# KiCad board lumberjack.kicad_pcb
date: 2024-06-26; rev: 1.9
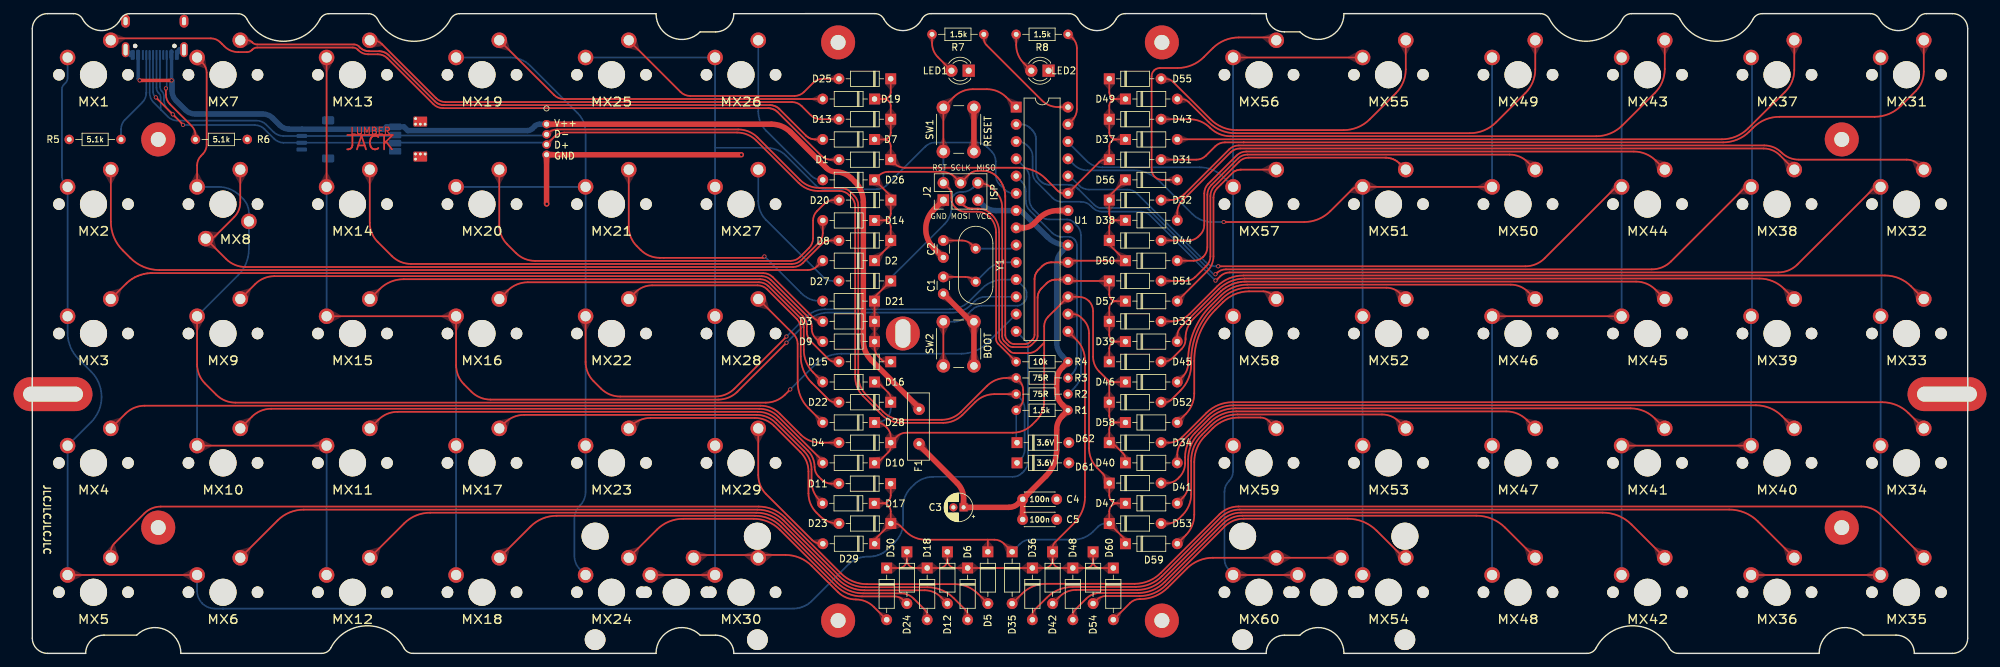
[diagram p0: board, top side]
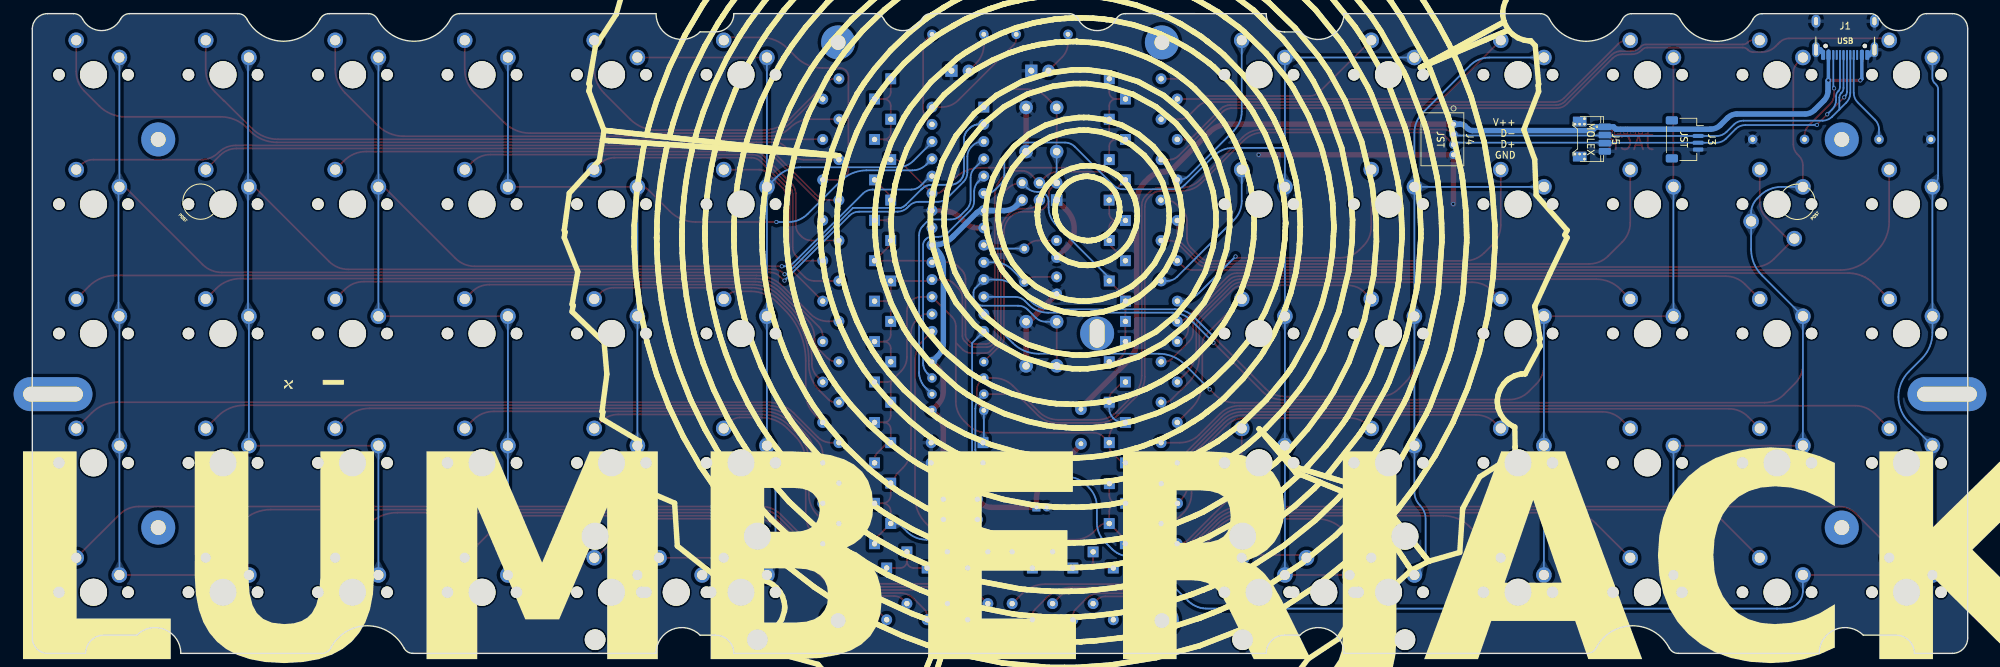
[diagram p1: board, bottom side, seen from below]

Outline 284.7 x 94.21 mm; copper layers: Top, Bottom. Coordinates in mm from the lower left corner of the outline.
Outline path: 10.54,2.69 arc(8.64,1.91) 7.85,0.01 2.25,0.01 arc(0.66,0.67) 0,2.26 0,91.96 arc(0.66,93.55) 2.25,94.21 6.07,94.21 arc(6.85,93.99) 7.4,93.4 arc(10.19,91.71) 12.98,93.4 arc(13.54,93.99) 14.31,94.21 ; 10.55,2.69 15.36,2.69 arc(19.5,3.52) 21.85,0.01 42.58,0.01 arc(43.36,0.22) 43.91,0.81 arc(49.28,4.07) 54.66,0.81 arc(55.21,0.22) 55.99,0.01 91.75,0.01 arc(94.1,3.52) 98.24,2.69 ; 14.31,94.2 30.24,94.2 arc(31.02,93.98) 31.57,93.39 arc(36.95,90.14) 42.32,93.39 arc(42.87,93.98) 43.65,94.2 49.44,94.2 arc(50.22,93.98) 50.77,93.39 arc(56.15,90.14) 61.52,93.39 arc(62.07,93.98) 62.85,94.2 91.75,94.2 arc(94.1,90.69) 98.24,91.51 100.51,91.51 arc(102.41,92.3) 103.2,94.2 123.94,94.21 arc(124.72,93.99) 125.27,93.4 arc(128.06,91.71) 130.86,93.4 arc(131.41,93.99) 132.19,94.21 152.51,94.21 arc(153.29,93.99) 153.84,93.4 arc(156.64,91.71) 159.43,93.4 arc(159.98,93.99) 160.76,94.21 ; 98.24,2.69 100.51,2.69 arc(102.41,1.9) 103.2,0 181.5,0 arc(182.29,1.9) 184.19,2.69 186.46,2.69 ; 160.76,94.21 181.5,94.21 arc(182.29,92.31) 184.19,91.52 186.46,91.52 arc(190.6,90.7) 192.95,94.21 221.85,94.21 arc(222.63,93.99) 223.18,93.4 arc(228.55,90.14) 233.93,93.4 arc(234.48,93.99) 235.26,94.21 241.05,94.21 arc(241.83,93.99) 242.38,93.4 arc(247.75,90.14) 253.13,93.4 arc(253.68,93.99) 254.46,94.21 270.39,94.21 arc(271.16,93.99) 271.72,93.4 arc(274.51,91.71) 277.3,93.4 arc(277.85,93.99) 278.63,94.21 282.45,94.21 arc(284.04,93.55) 284.7,91.96 284.7,2.26 arc(284.04,0.67) 282.45,0.01 276.85,0.01 arc(276.06,1.91) 274.16,2.69 ; 186.46,2.69 arc(190.6,3.52) 192.95,0.01 228.71,0.01 arc(229.49,0.22) 230.04,0.81 arc(235.42,4.07) 240.79,0.81 arc(241.34,0.22) 242.12,0.01 262.85,0.01 arc(265.2,3.52) 269.34,2.69 274.15,2.69
Stack: Top 0.035mm / dielectric 1.51mm FR4 er 4.5 / Bottom 0.035mm

## Placement (name value [footprint] x y rotation side)
2u_MX30  SW_Push  [MX_PCB_200B]  94.73 9.01 0 top
2u_MX60  SW_Push  [MX_PCB_200B]  189.98 9.01 0 top
C1  22p  [C_Disc_D3.0mm_W1.6mm_P2.50mm]  134.02 55.44 270 top
C2  22p  [C_Disc_D3.0mm_W1.6mm_P2.50mm]  134.02 60.8 270 top
C3  4.7u  [CP_Radial_D4.0mm_P1.50mm]  136.99 21.51 180 top
C4  100n  [C_Disc_D4.3mm_W1.9mm_P5.00mm]  145.68 22.7 0 top
C5  100n  [C_Disc_D4.3mm_W1.9mm_P5.00mm]  145.68 19.72 0 top
D1  1N4148  [D_DO-35_SOD27_P7.62mm_Horizontal]  126.28 72.7 180 top
D2  1N4148  [D_DO-35_SOD27_P7.62mm_Horizontal]  123.89 57.83 180 top
D3  1N4148  [D_DO-35_SOD27_P7.62mm_Horizontal]  123.9 48.89 180 top
D4  1N4148  [D_DO-35_SOD27_P7.62mm_Horizontal]  126.28 31.03 180 top
D5  1N4148  [D_DO-35_SOD27_P7.62mm_Horizontal]  140.56 14.96 270 top
D6  1N4148  [D_DO-35_SOD27_P7.62mm_Horizontal]  137.59 12.58 270 top
D7  1N4148  [D_DO-35_SOD27_P7.62mm_Horizontal]  123.9 75.68 180 top
D8  1N4148  [D_DO-35_SOD27_P7.62mm_Horizontal]  126.28 60.8 180 top
D9  1N4148  [D_DO-35_SOD27_P7.62mm_Horizontal]  123.9 45.92 180 top
D10  1N4148  [D_DO-35_SOD27_P7.62mm_Horizontal]  123.9 28.06 180 top
D11  1N4148  [D_DO-35_SOD27_P7.62mm_Horizontal]  126.26 25 180 top
D12  1N4148  [D_DO-35_SOD27_P7.62mm_Horizontal]  134.61 14.96 270 top
D13  1N4148  [D_DO-35_SOD27_P7.62mm_Horizontal]  126.28 78.66 180 top
D14  1N4148  [D_DO-35_SOD27_P7.62mm_Horizontal]  123.9 63.75 180 top
D15  1N4148  [D_DO-35_SOD27_P7.62mm_Horizontal]  126.28 42.94 180 top
D16  1N4148  [D_DO-35_SOD27_P7.62mm_Horizontal]  123.9 39.96 180 top
D17  1N4148  [D_DO-35_SOD27_P7.62mm_Horizontal]  123.86 22.1 180 top
D18  1N4148  [D_DO-35_SOD27_P7.62mm_Horizontal]  131.63 12.58 270 top
D19  1N4148  [D_DO-35_SOD27_P7.62mm_Horizontal]  123.9 81.63 180 top
D20  1N4148  [D_DO-35_SOD27_P7.62mm_Horizontal]  126.3 66.75 180 top
D21  1N4148  [D_DO-35_SOD27_P7.62mm_Horizontal]  123.89 51.88 180 top
D22  1N4148  [D_DO-35_SOD27_P7.62mm_Horizontal]  126.28 36.99 180 top
D23  1N4148  [D_DO-35_SOD27_P7.62mm_Horizontal]  126.29 19.12 180 top
D24  1N4148  [D_DO-35_SOD27_P7.62mm_Horizontal]  128.66 14.96 270 top
D25  1N4148  [D_DO-35_SOD27_P7.62mm_Horizontal]  126.28 84.61 180 top
D26  1N4148  [D_DO-35_SOD27_P7.62mm_Horizontal]  123.9 69.73 180 top
D27  1N4148  [D_DO-35_SOD27_P7.62mm_Horizontal]  126.28 54.85 180 top
D28  1N4148  [D_DO-35_SOD27_P7.62mm_Horizontal]  123.9 34.01 180 top
D29  1N4148  [D_DO-35_SOD27_P7.62mm_Horizontal]  123.91 16.15 180 top
D30  1N4148  [D_DO-35_SOD27_P7.62mm_Horizontal]  125.68 12.58 270 top
D31  1N4148  [D_DO-35_SOD27_P7.62mm_Horizontal]  158.42 72.7 0 top
D32  1N4148  [D_DO-35_SOD27_P7.62mm_Horizontal]  158.42 66.75 0 top
D33  1N4148  [D_DO-35_SOD27_P7.62mm_Horizontal]  158.42 48.89 0 top
D34  1N4148  [D_DO-35_SOD27_P7.62mm_Horizontal]  158.42 31.03 0 top
D35  1N4148  [D_DO-35_SOD27_P7.62mm_Horizontal]  144.14 14.96 270 top
D36  1N4148  [D_DO-35_SOD27_P7.62mm_Horizontal]  147.11 12.58 270 top
D37  1N4148  [D_DO-35_SOD27_P7.62mm_Horizontal]  160.8 75.68 0 top
D38  1N4148  [D_DO-35_SOD27_P7.62mm_Horizontal]  160.8 63.77 0 top
D39  1N4148  [D_DO-35_SOD27_P7.62mm_Horizontal]  160.8 45.92 0 top
D40  1N4148  [D_DO-35_SOD27_P7.62mm_Horizontal]  160.8 28.06 0 top
D41  1N4148  [D_DO-35_SOD27_P7.62mm_Horizontal]  158.42 25.08 0 top
D42  1N4148  [D_DO-35_SOD27_P7.62mm_Horizontal]  150.09 14.96 270 top
D43  1N4148  [D_DO-35_SOD27_P7.62mm_Horizontal]  158.42 78.66 0 top
D44  1N4148  [D_DO-35_SOD27_P7.62mm_Horizontal]  158.42 60.8 0 top
D45  1N4148  [D_DO-35_SOD27_P7.62mm_Horizontal]  158.42 42.94 0 top
D46  1N4148  [D_DO-35_SOD27_P7.62mm_Horizontal]  160.8 39.96 0 top
D47  1N4148  [D_DO-35_SOD27_P7.62mm_Horizontal]  160.8 22.1 0 top
D48  1N4148  [D_DO-35_SOD27_P7.62mm_Horizontal]  153.07 12.58 270 top
D49  1N4148  [D_DO-35_SOD27_P7.62mm_Horizontal]  160.8 81.63 0 top
D50  1N4148  [D_DO-35_SOD27_P7.62mm_Horizontal]  160.8 57.82 0 top
D51  1N4148  [D_DO-35_SOD27_P7.62mm_Horizontal]  158.42 54.85 0 top
D52  1N4148  [D_DO-35_SOD27_P7.62mm_Horizontal]  158.42 36.99 0 top
D53  1N4148  [D_DO-35_SOD27_P7.62mm_Horizontal]  158.42 19.13 0 top
D54  1N4148  [D_DO-35_SOD27_P7.62mm_Horizontal]  156.04 14.96 270 top
D55  1N4148  [D_DO-35_SOD27_P7.62mm_Horizontal]  158.42 84.61 0 top
D56  1N4148  [D_DO-35_SOD27_P7.62mm_Horizontal]  160.8 69.73 0 top
D57  1N4148  [D_DO-35_SOD27_P7.62mm_Horizontal]  160.8 51.87 0 top
D58  1N4148  [D_DO-35_SOD27_P7.62mm_Horizontal]  160.8 34.01 0 top
D59  1N4148  [D_DO-35_SOD27_P7.62mm_Horizontal]  160.8 16.15 0 top
D60  1N4148  [D_DO-35_SOD27_P7.62mm_Horizontal]  159.02 12.58 270 top
D61  3.6V  [D_DO-35_SOD27_P7.62mm_Horizontal]  144.85 28.06 0 top
D62  3.6V  [D_DO-35_SOD27_P7.62mm_Horizontal]  144.85 31.03 0 top
F1  100mA  [Fuse_Bourns_MF-RHT100]  130.44 33.41 270 top
H1  M2  [MountingHole_M2]  118.54 89.97 0 top
H2  M2  [MountingHole_M2]  166.16 89.97 0 top
H3  M2  [MountingHole_M2]  118.54 4.84 0 top
H4  M2  [MountingHole_M2]  166.16 4.84 0 top
H5  M2  [MountingSlot_M2]  3.05 38.18 0 top
H6  M2  [MountingSlot_M2]  281.65 38.18 0 top
H7  M2  [MountingSlot_M2#2]  128.06 47.11 90 top
H8  M2  [MountingHole_M2]  18.53 75.68 0 top
H9  M2  [MountingHole_M2]  18.53 18.53 0 top
H10  M2  [MountingHole_M2]  266.18 75.68 0 top
H11  M2  [MountingHole_M2]  266.18 18.53 0 top
J1  USB  [TYPE-C-31-M-12]  18.02 87.39 0 bottom
J2  AVR_ISP_6  [PinHeader_2x03_P2.54mm_Vertical]  134.02 66.75 90 top
J3  JST  [JST_SH_SM04B-SRSS-TB_1x04-1MP_P1.00mm_Horizontal]  41.64 75.69 270 bottom
J4  JST  [S4B-ZRLFSN]  75.65 73.42 270 bottom
J5  Molex  [PicoEZMate-Reinforced-Lite]  55.58 75.73 270 bottom
LED1  RED  [LED_D3.0mm]  137.75 85.8 180 top
LED2  GREEN  [LED_D3.0mm]  149.49 85.8 180 top
MX1  SW_Push  [MX]  9 85.21 0 top
MX2  SW_Push  [MX]  9 66.16 0 top
MX3  SW_Push  [MX]  9 47.11 0 top
MX4  SW_Push  [MX]  9 28.06 0 top
MX5  SW_Push  [MX]  9 9.01 0 top
MX6  SW_Push  [MX]  28.05 9.01 0 top
MX7  SW_Push  [MX]  28.05 85.21 0 top
MX8  SW_Push  [MX_NTHSTH]  28.05 66.16 0 top
MX9  SW_Push  [MX]  28.05 47.11 0 top
MX10  SW_Push  [MX]  28.05 28.06 0 top
MX11  SW_Push  [MX]  47.1 28.06 0 top
MX12  SW_Push  [MX]  47.1 9.01 0 top
MX13  SW_Push  [MX]  47.1 85.21 0 top
MX14  SW_Push  [MX]  47.1 66.16 0 top
MX15  SW_Push  [MX]  47.1 47.11 0 top
MX16  SW_Push  [MX]  66.15 47.11 0 top
MX17  SW_Push  [MX]  66.15 28.06 0 top
MX18  SW_Push  [MX]  66.15 9.01 0 top
MX19  SW_Push  [MX]  66.15 85.21 0 top
MX20  SW_Push  [MX]  66.15 66.16 0 top
MX21  SW_Push  [MX]  85.2 66.16 0 top
MX22  SW_Push  [MX]  85.2 47.11 0 top
MX23  SW_Push  [MX]  85.2 28.06 0 top
MX24  SW_Push  [MX]  85.2 9.01 0 top
MX25  SW_Push  [MX]  85.2 85.21 0 top
MX26  SW_Push  [MX]  104.25 85.21 0 top
MX27  SW_Push  [MX]  104.25 66.16 0 top
MX28  SW_Push  [MX]  104.25 47.11 0 top
MX29  SW_Push  [MX]  104.25 28.06 0 top
MX30  SW_Push  [MX]  104.25 9.01 0 top
MX31  SW_Push  [MX]  275.7 85.21 0 top
MX32  SW_Push  [MX]  275.7 66.16 0 top
MX33  SW_Push  [MX]  275.7 47.11 0 top
MX34  SW_Push  [MX]  275.7 28.06 0 top
MX35  SW_Push  [MX]  275.7 9.01 0 top
MX36  SW_Push  [MX]  256.65 9.01 0 top
MX37  SW_Push  [MX]  256.65 85.21 0 top
MX38  SW_Push  [MX]  256.65 66.16 0 top
MX39  SW_Push  [MX]  256.65 47.11 0 top
MX40  SW_Push  [MX]  256.65 28.06 0 top
MX41  SW_Push  [MX]  237.6 28.06 0 top
MX42  SW_Push  [MX]  237.6 9.01 0 top
MX43  SW_Push  [MX]  237.6 85.21 0 top
MX44  SW_Push  [MX]  237.6 66.16 0 top
MX45  SW_Push  [MX]  237.6 47.11 0 top
MX46  SW_Push  [MX]  218.55 47.11 0 top
MX47  SW_Push  [MX]  218.55 28.06 0 top
MX48  SW_Push  [MX]  218.55 9.01 0 top
MX49  SW_Push  [MX]  218.55 85.21 0 top
MX50  SW_Push  [MX]  218.55 66.16 0 top
MX51  SW_Push  [MX]  199.5 66.16 0 top
MX52  SW_Push  [MX]  199.5 47.11 0 top
MX53  SW_Push  [MX]  199.5 28.06 0 top
MX54  SW_Push  [MX]  199.5 9.01 0 top
MX55  SW_Push  [MX]  199.5 85.21 0 top
MX56  SW_Push  [MX]  180.45 85.21 0 top
MX57  SW_Push  [MX]  180.45 66.16 0 top
MX58  SW_Push  [MX]  180.45 47.11 0 top
MX59  SW_Push  [MX]  180.45 28.06 0 top
MX60  SW_Push  [MX]  180.45 9.01 0 top
R1  1.5k  [R_Axial_DIN0204_L3.6mm_D1.6mm_P7.62mm_Horizontal]  144.73 35.8 0 top
R2  75R  [R_Axial_DIN0204_L3.6mm_D1.6mm_P7.62mm_Horizontal]  144.73 38.18 0 top
R3  75R  [R_Axial_DIN0204_L3.6mm_D1.6mm_P7.62mm_Horizontal]  144.73 40.56 0 top
R4  10k  [R_Axial_DIN0204_L3.6mm_D1.6mm_P7.62mm_Horizontal]  152.35 42.94 180 top
R5  5.1k  [R_Axial_DIN0204_L3.6mm_D1.6mm_P7.62mm_Horizontal]  5.43 75.68 0 top
R6  5.1k  [R_Axial_DIN0204_L3.6mm_D1.6mm_P7.62mm_Horizontal]  31.62 75.68 180 top
R7  1.5k  [R_Axial_DIN0204_L3.6mm_D1.6mm_P7.62mm_Horizontal]  139.97 91.16 180 top
R8  1.5k  [R_Axial_DIN0204_L3.6mm_D1.6mm_P7.62mm_Horizontal]  152.35 91.16 180 top
REF**  Wood  [wood]  129.73 65.44 0 top
REF**#2  -  [Lumberjack]  49.85 76.34 0 top
REF**#3  -  [OSHW]  228.07 39.26 180 bottom
REF**#4  -  [Lumberjack]  47.68 39.72 180 bottom
REF**#5  flags  [Flags]  240.52 39.52 180 bottom
SW1  RESET  [SW_PUSH_6mm]  134.02 73.9 90 top
SW2  BOOT  [SW_PUSH_6mm]  134.02 42.34 90 top
U1  ATMEGA328-PU  [DIP-28_W7.62mm]  144.73 80.44 0 top
Y1  16MHz  [Crystal_HC49-4H_Vertical]  138.78 59.61 270 top

## Library data of the parts
2u_MX30 2u_MX60 SW1 SW2 = -: Description: Push button switch, generic, two pins
C1 C2 C4 C5 = -: Description: Unpolarized capacitor, small symbol
D1-D62 = -: Field4: K
F1 = -: Description: Resettable fuse, polymeric positive temperature coefficient, small symbol
H1-H11 = -: Description: Mounting Hole without connection
J1 = -: Description: USB 2.0-only Type-C Receptacle connector
J2 = -: Description: Generic connector, double row, 02x03, odd/even pin numbering scheme (row 1 odd numbers, row 2 even numbers), script generated (kicad-library-utils/schlib/autogen/connector/)
J3-J5 = -: Description: Generic connector, single row, 01x04, script generated (kicad-library-utils/schlib/autogen/connector/)
LED1 LED2 = -: Description: Light emitting diode, small symbol
MX1-MX60 = -: Description: Push button switch, generic, two pins; Field4: REF**
R1-R8 = -: Description: Resistor, small symbol
Y1 = -: Description: Two pin crystal, small symbol

## Footprints (pads in the part's own frame, mm; a bottom-side part is the same pattern mirrored in y, then rotated)
C_Disc_D3.0mm_W1.6mm_P2.50mm
  round 1.6 hole 0.8: 1(0,0) 2(2.5,0)
C_Disc_D4.3mm_W1.9mm_P5.00mm
  round 1.6 hole 0.8: 1(0,0) 2(5,0)
CP_Radial_D4.0mm_P1.50mm
  rect 1.2x1.2 hole 0.6: 1(0,0)
  round 1.2 hole 0.6: 2(1.5,0)
Crystal_HC49-4H_Vertical
  round 1.5 hole 0.8: 1(0,0) 2(4.88,0)
D_DO-35_SOD27_P7.62mm_Horizontal
  rect 1.6x1.6 hole 0.8: 1(0,0)
  oval 1.6x1.6 hole 0.8: 2(7.62,0)
DIP-28_W7.62mm
  rect 1.6x1.6 hole 0.8: 1(0,0)
  oval 1.6x1.6 hole 0.8: 2(0,-2.54) 3(0,-5.08) 4(0,-7.62) 5(0,-10.16) 6(0,-12.7) 7(0,-15.24) 8(0,-17.78) 9(0,-20.32) 10(0,-22.86) 11(0,-25.4) 12(0,-27.94) 13(0,-30.48) 14(0,-33.02) 15(7.62,-33.02) 16(7.62,-30.48) 17(7.62,-27.94) 18(7.62,-25.4) 19(7.62,-22.86) 20(7.62,-20.32) 21(7.62,-17.78) 22(7.62,-15.24) 23(7.62,-12.7) 24(7.62,-10.16) 25(7.62,-7.62) 26(7.62,-5.08) 27(7.62,-2.54) 28(7.62,0)
Fuse_Bourns_MF-RHT100
  round 1.71 hole 0.71: 1(-2.54,0) 2(2.54,0)
JST_SH_SM04B-SRSS-TB_1x04-1MP_P1.00mm_Horizontal
  rrect 0.6x1.55 smd: 1(-1.5,2) 2(-0.5,2) 3(0.5,2) 4(1.5,2)
  rrect 1.2x1.8 smd: MP(-2.8,-1.875) MP(2.8,-1.875)
LED_D3.0mm
  rect 1.8x1.8 hole 0.9: 1(0,0)
  round 1.8 hole 0.9: 2(2.54,0)
MountingHole_M2
  round 5 hole 2.2 unplated: (0,0)
MountingSlot_M2
  oval 11.6x5 hole 8.8x2.2 unplated: (0,0)
MountingSlot_M2#2
  round 5 hole 4.2x2.2 unplated: (0,0)
MX
  round 1.702 hole 1.702 unplated: (-5.08,0) (5.08,0)
  round 3.988 hole 3.988 unplated: (0,0)
  round 2.286 hole 1.499: 1(2.54,5.08) 2(-3.81,2.54)
MX_NTHSTH
  round 1.702 hole 1.702 unplated: (-5.08,0) (5.08,0)
  round 3.988 hole 3.988 unplated: (0,0)
  round 2.286 hole 1.499: 1(-2.54,-5.08) 1(2.54,5.08) 2(-3.81,2.54) 2(3.81,-2.54)
MX_PCB_200B
  round 3.988 hole 3.988 unplated: (-11.938,8.255) (0,0) (11.938,8.255)
  round 3.048 hole 3.048 unplated: (-11.938,-6.985) (11.938,-6.985)
  round 1.702 hole 1.702 unplated: (-5.08,0) (5.08,0)
  round 2.286 hole 1.499: 1(2.54,5.08) 2(-3.81,2.54)
PicoEZMate-Reinforced-Lite
  round 0.6 hole 0.4: (-3,-0.8) (-2.2,-2.2) (-2.2,-1.5) (-2.2,-0.8) (2.2,-2.2) (2.2,-1.5) (2.2,-0.8) (2.95,-0.8)
  rrect 0.7x1 smd: (-2.95,-2) (2.95,-2)
  rrect 1.45x2 smd far side: (-2.575,-1.5) (2.575,-1.5)
  rrect 1.45x2 smd: (-2.575,-1.5) (2.575,-1.5)
  rrect 0.75x1.2 smd: (-1.8,2) (-0.6,2) (0.6,2) (1.8,2)
  rrect 1x1.8 smd: 1(-1.8,2.2) 2(-0.6,2.2) 3(0.6,2.2) 4(1.8,2.2)
PinHeader_2x03_P2.54mm_Vertical
  rect 1.7x1.7 hole 1: 1(0,0)
  oval 1.7x1.7 hole 1: 2(2.54,0) 3(0,-2.54) 4(2.54,-2.54) 5(0,-5.08) 6(2.54,-5.08)
R_Axial_DIN0204_L3.6mm_D1.6mm_P7.62mm_Horizontal
  round 1.4 hole 0.7: 1(0,0)
  oval 1.4x1.4 hole 0.7: 2(7.62,0)
S4B-ZRLFSN
  round 1.245 hole 0.737: 1(0,0) 2(-1.5,0) 3(-3,0) 4(-4.5,0)
SW_PUSH_6mm
  round 2 hole 1.1: 1(0,0) 1(6.5,0) 2(0,-4.5) 2(6.5,-4.5)
TYPE-C-31-M-12
  round 0.65 hole 0.65 unplated: (-2.89,-2.051) (2.89,-2.051)
  rrect 0.6x1.45 smd: A1(-3.25,-1.275) A4(-2.45,-1.275) B1(3.25,-1.275) B4(2.45,-1.275)
  rrect 0.3x1.45 smd: A5(-1.25,-1.275) A6(-0.254,-1.275) A7(0.25,-1.275) A8(1.25,-1.275) B5(1.75,-1.275) B6(0.75,-1.275) B7(-0.75,-1.275) B8(-1.75,-1.275)
  oval 1.3x1.9 hole 0.6x1.2: S1(-4.3,-5.7) S1(4.3,-5.7)
  oval 1.1x2.2 hole 0.6x1.7: S1(-4.3,-1.5) S1(4.3,-1.5)

## Nets
+5V: C3.1 C4.1 C5.1 F1.2 J2.5 R1.2 R4.1 U1.7 U1.20
GND: C1.2 C2.2 C3.2 C4.2 C5.2 D61.2 D62.2 J1.A1 J1.B1 J1.S1 J2.1 J3.4 J4.1 J5.4 LED1.1 LED2.1 R5.1 R6.1 SW1.2 SW2.2 U1.8 U1.22
/COL0: MX1.2 MX2.2 MX3.2 MX4.2 MX5.2 MX6.2 U1.14
/COL1: MX7.2 MX8.2 MX9.2 MX10.2 MX11.2 MX12.2 U1.13
/COL2: MX13.2 MX14.2 MX15.2 MX16.2 MX17.2 MX18.2 U1.12
/COL3: MX19.2 MX20.2 MX21.2 MX22.2 MX23.2 MX24.2 SW2.1 U1.11
/COL4: 2u_MX30.2 MX25.2 MX26.2 MX27.2 MX28.2 MX29.2 MX30.2 U1.6
/COL5: MX31.2 MX32.2 MX33.2 MX34.2 MX35.2 MX36.2 U1.3
/COL6: MX37.2 MX38.2 MX39.2 MX40.2 MX41.2 MX42.2 U1.2
/COL7: MX43.2 MX44.2 MX45.2 MX46.2 MX47.2 MX48.2 U1.24
/COL8: MX49.2 MX50.2 MX51.2 MX52.2 MX53.2 MX54.2 U1.25
/COL9: 2u_MX60.2 MX55.2 MX56.2 MX57.2 MX58.2 MX59.2 MX60.2 U1.26
/LED1: R7.1 U1.28
/LED2: R8.1 U1.27
/RESET: J2.2 R4.2 SW1.1 U1.1
/ROW0: D1.1 D7.1 D13.1 D19.1 D25.1 D31.1 D37.1 D43.1 D49.1 D55.1 U1.23
/ROW1: D2.1 D8.1 D14.1 D20.1 D26.1 D32.1 D38.1 D44.1 D50.1 D56.1 J2.4 U1.19
/ROW2: D3.1 D9.1 D15.1 D21.1 D27.1 D33.1 D39.1 D45.1 D51.1 D57.1 J2.6 U1.18
/ROW3: D4.1 D10.1 D16.1 D22.1 D28.1 D34.1 D40.1 D46.1 D52.1 D58.1 J2.3 U1.17
/ROW4: D5.1 D11.1 D17.1 D23.1 D29.1 D35.1 D41.1 D47.1 D53.1 D59.1 U1.16
/ROW5: D6.1 D12.1 D18.1 D24.1 D30.1 D36.1 D42.1 D48.1 D54.1 D60.1 U1.15
/USB_D+: R2.2 U1.4
/USB_D-: R3.2 U1.5
Net-(D1-A): D1.2 MX1.1
Net-(D2-A): D2.2 MX2.1
Net-(D3-A): D3.2 MX3.1
Net-(D4-A): D4.2 MX4.1
Net-(D5-A): D5.2 MX5.1
Net-(D6-A): D6.2 MX6.1
Net-(D7-A): D7.2 MX7.1
Net-(D8-A): D8.2 MX8.1
Net-(D9-A): D9.2 MX9.1
Net-(D10-A): D10.2 MX10.1
Net-(D11-A): D11.2 MX11.1
Net-(D12-A): D12.2 MX12.1
Net-(D13-A): D13.2 MX13.1
Net-(D14-A): D14.2 MX14.1
Net-(D15-A): D15.2 MX15.1
Net-(D16-A): D16.2 MX16.1
Net-(D17-A): D17.2 MX17.1
Net-(D18-A): D18.2 MX18.1
Net-(D19-A): D19.2 MX19.1
Net-(D20-A): D20.2 MX20.1
Net-(D21-A): D21.2 MX21.1
Net-(D22-A): D22.2 MX22.1
Net-(D23-A): D23.2 MX23.1
Net-(D24-A): D24.2 MX24.1
Net-(D25-A): D25.2 MX25.1
Net-(D26-A): D26.2 MX26.1
Net-(D27-A): D27.2 MX27.1
Net-(D28-A): D28.2 MX28.1
Net-(D29-A): D29.2 MX29.1
Net-(D30-A): 2u_MX30.1 D30.2 MX30.1
Net-(D31-A): D31.2 MX31.1
Net-(D32-A): D32.2 MX32.1
Net-(D33-A): D33.2 MX33.1
Net-(D34-A): D34.2 MX34.1
Net-(D35-A): D35.2 MX35.1
Net-(D36-A): D36.2 MX36.1
Net-(D37-A): D37.2 MX37.1
Net-(D38-A): D38.2 MX38.1
Net-(D39-A): D39.2 MX39.1
Net-(D40-A): D40.2 MX40.1
Net-(D41-A): D41.2 MX41.1
Net-(D42-A): D42.2 MX42.1
Net-(D43-A): D43.2 MX43.1
Net-(D44-A): D44.2 MX44.1
Net-(D45-A): D45.2 MX45.1
Net-(D46-A): D46.2 MX46.1
Net-(D47-A): D47.2 MX47.1
Net-(D48-A): D48.2 MX48.1
Net-(D49-A): D49.2 MX49.1
Net-(D50-A): D50.2 MX50.1
Net-(D51-A): D51.2 MX51.1
Net-(D52-A): D52.2 MX52.1
Net-(D53-A): D53.2 MX53.1
Net-(D54-A): D54.2 MX54.1
Net-(D55-A): D55.2 MX55.1
Net-(D56-A): D56.2 MX56.1
Net-(D57-A): D57.2 MX57.1
Net-(D58-A): D58.2 MX58.1
Net-(D59-A): D59.2 MX59.1
Net-(D60-A): 2u_MX60.1 D60.2 MX60.1
Net-(D61-K): D61.1 J1.A6 J1.B6 J3.3 J4.2 J5.3 R2.1
Net-(D62-K): D62.1 J1.A7 J1.B7 J3.2 J4.3 J5.2 R1.1 R3.1
Net-(J1-CC1): J1.A5 R5.2
Net-(J1-CC2): J1.B5 R6.2
Net-(J3-Pin_1): F1.1 J1.A4 J1.B4 J3.1 J4.4 J5.1
Net-(LED1-A): LED1.2 R7.2
Net-(LED2-A): LED2.2 R8.2
Net-(U1-XTAL1/PB6): C2.1 U1.9 Y1.1
Net-(U1-XTAL2/PB7): C1.1 U1.10 Y1.2

Pads without a net: J1 A8 B8; J3 MP; U1 21

## Via types
v1: diameter 0.6, hole 0.4, Top to Bottom, 16 vias

## Routing (per net, layer and track width the routed paths; a pad name or vN(x,y) marks a point on that pad's centre or on a via; arc(x,y) is an arc through that point)
+5V: length 82.3
  Top w0.8: R4.1 151.52,42.11 arc(150.9,41.18) 150.68,40.09 150.68,38.64 arc(150.9,37.55) 151.52,36.63 R1.2 151.52,34.96 arc(150.9,34.04) 150.68,32.95 150.68,29.95 arc(150.27,27.87) 149.09,26.1 146.28,23.29 ; 146.28,23.29 145.09,22.1 arc(144.43,21.66) 143.65,21.51 C3.1 136.99,22.82 arc(136.75,24.04) 136.06,25.07 130.43,30.7 ; 146.28,23.29 arc(145.84,22.63) 145.68,21.86 C5.1
  Bottom w0.8: R4.1 151.52,43.77 arc(150.9,44.7) 150.68,45.78 150.68,57.24 arc(150.9,58.33) 151.52,59.25 152.35,60.08 ; U1.20 152.18,60.12 arc(150.65,60.43) 149.35,61.3 145.74,64.91 arc(145.41,65.13) 145.03,65.2 U1.7 141.74,65.2 arc(140.73,65.4) 139.87,65.98 J2.5
GND: length 75.5
  Top w0.8: SW1.2 SW1.2 ; 138.11,48.84 C1.2 ; C2.2 133.98,58.3 132.6,59.68 arc(131.43,62.51) 132.6,65.34 J2.1 ; U1.8 145.72,62.66 arc(146.62,62.84) 147.4,63.36 148.14,64.1 arc(149.36,64.92) 150.8,65.2 U1.22 ; SW2.2 SW2.2 ; v1(75.67,66.19) 75.65,66.22 J4.1 v1(104.3,73.42)
  Bottom w0.8: 14.48,88.13 J1.S1 ; 21.39,88.55 21.73,88.89 J1.S1
/COL0: length 256.4
  Top w0.25: MX5.2 MX6.2
  Bottom w0.25: MX1.2 5.19,84.72 arc(5.11,84.34) 4.9,84.02 4.64,83.76 arc(4.43,83.44) 4.35,83.05 4.35,70.36 arc(4.5,69.6) 4.94,68.95 ; U1.14 146.45,45.71 146.45,28.23 arc(146.3,27.47) 145.86,26.82 145.63,26.59 arc(144.98,26.15) 144.22,26 132.51,26 arc(130.98,25.7) 129.68,24.83 129.27,24.42 arc(128.4,23.12) 128.1,21.59 128.1,19.26 arc(127.8,17.73) 126.93,16.43 125.92,15.42 125.78,15.28 125.48,15.04 125.15,14.82 124.8,14.63 124.44,14.48 124.07,14.37 123.68,14.29 123.29,14.25 123.09,14.25 122.86,14.25 122.66,14.25 122.27,14.21 121.88,14.13 121.51,14.02 121.15,13.87 120.8,13.68 120.47,13.46 120.17,13.22 120.03,13.08 114.72,7.77 114.58,7.63 114.28,7.39 113.95,7.17 113.6,6.98 113.24,6.83 112.87,6.72 112.48,6.64 112.09,6.6 111.89,6.6 26.84,6.6 arc(25.85,6.8) 25,7.36 arc(24.44,8.21) 24.24,9.2 MX6.2 ; MX2.2 MX3.2 5.19,47.22 arc(5.6,45.13) 6.78,43.37 8.65,41.51 arc(9.79,39.8) 10.19,37.78 arc(9.79,35.76) 8.65,34.05 MX4.2 MX5.2
/COL1: length 240.1
  Top w0.25: MX10.2 MX11.2 ; MX9.2 24.24,42.57 arc(24.54,41.04) 25.41,39.74 27.05,38.1 arc(28.35,37.23) 29.88,36.92 107.89,36.92 arc(109.42,37.23) 110.72,38.1 v1(111.5,38.88) ; MX8.2 24.24,71.86 arc(24.39,72.63) 24.83,73.28 25.06,73.51 arc(25.5,74.16) 25.65,74.93 25.65,85.51 arc(25.5,86.27) 25.06,86.92 MX7.2
  Bottom w0.25: MX8.2 27.4,68.7 arc(29.11,68.36) 30.56,67.39 30.99,66.96 arc(31.63,65.99) 31.86,64.85 MX8.2 31.86,59.52 arc(31.45,57.44) 30.27,55.67 MX9.2 MX10.2 ; v1(111.5,38.88) 115.16,42.54 arc(116.92,43.72) 119.01,44.13 136.64,44.13 arc(138.73,44.54) 140.49,45.72 U1.13 ; MX11.2 MX12.2
/COL2: length 193.2
  Top w0.25: MX13.2 MX14.2 ; MX15.2 MX16.2 62.34,42.44 arc(62.64,40.91) 63.51,39.61 64.58,38.55 arc(65.88,37.68) 67.41,37.38 100.9,37.38 arc(102.44,37.68) 103.73,38.55 v1(110.94,45.76)
  Bottom w0.25: v1(110.94,45.76) 114.19,49 arc(115.49,49.87) 117.02,50.17 135.29,50.17 arc(136.82,50.48) 138.12,51.35 138.67,51.9 arc(139.34,52.35) 140.14,52.5 U1.12 ; MX15.2 MX14.2 ; MX16.2 MX17.2 MX18.2
/COL3: length 211.7
  Top w0.25: v1(110.94,46.66) 110.94,46.64 103.3,39 arc(102,38.13) 100.47,37.83 86.48,37.83 arc(84.95,38.13) 83.65,39 82.56,40.09 arc(81.69,41.39) 81.39,42.92 MX22.2 ; SW2.1 SW2.1
  Bottom w0.25: v1(110.94,46.66) 113.78,49.51 arc(115.08,50.37) 116.61,50.68 135,50.68 arc(136.53,50.98) 137.83,51.85 139.71,53.73 arc(141.16,54.7) 142.88,55.04 U1.11 145.96,53.82 arc(146.17,53.49) 146.25,53.11 146.25,52.51 arc(146.17,52.13) 145.96,51.81 145.64,51.49 arc(145.32,51.28) 144.94,51.2 139.68,51.2 arc(138.91,51.05) 138.26,50.61 137.08,49.43 arc(136.43,49) 135.67,48.84 SW2.1 ; MX20.2 MX21.2 81.39,76.72 arc(81.09,78.25) 80.22,79.55 73.2,86.57 arc(71.9,87.44) 70.37,87.75 MX19.2 ; MX24.2 80.56,12.37 arc(79.95,13.29) 79.74,14.36 79.74,19.79 arc(79.95,20.87) 80.56,21.79 arc(81.18,22.7) 81.39,23.78 MX23.2 MX22.2 81.39,68.33
/COL4: length 158.4
  Top w0.25: MX30.2 2u_MX30.2